# KiCad board TESTMOUNT.kicad_pcb (continued)
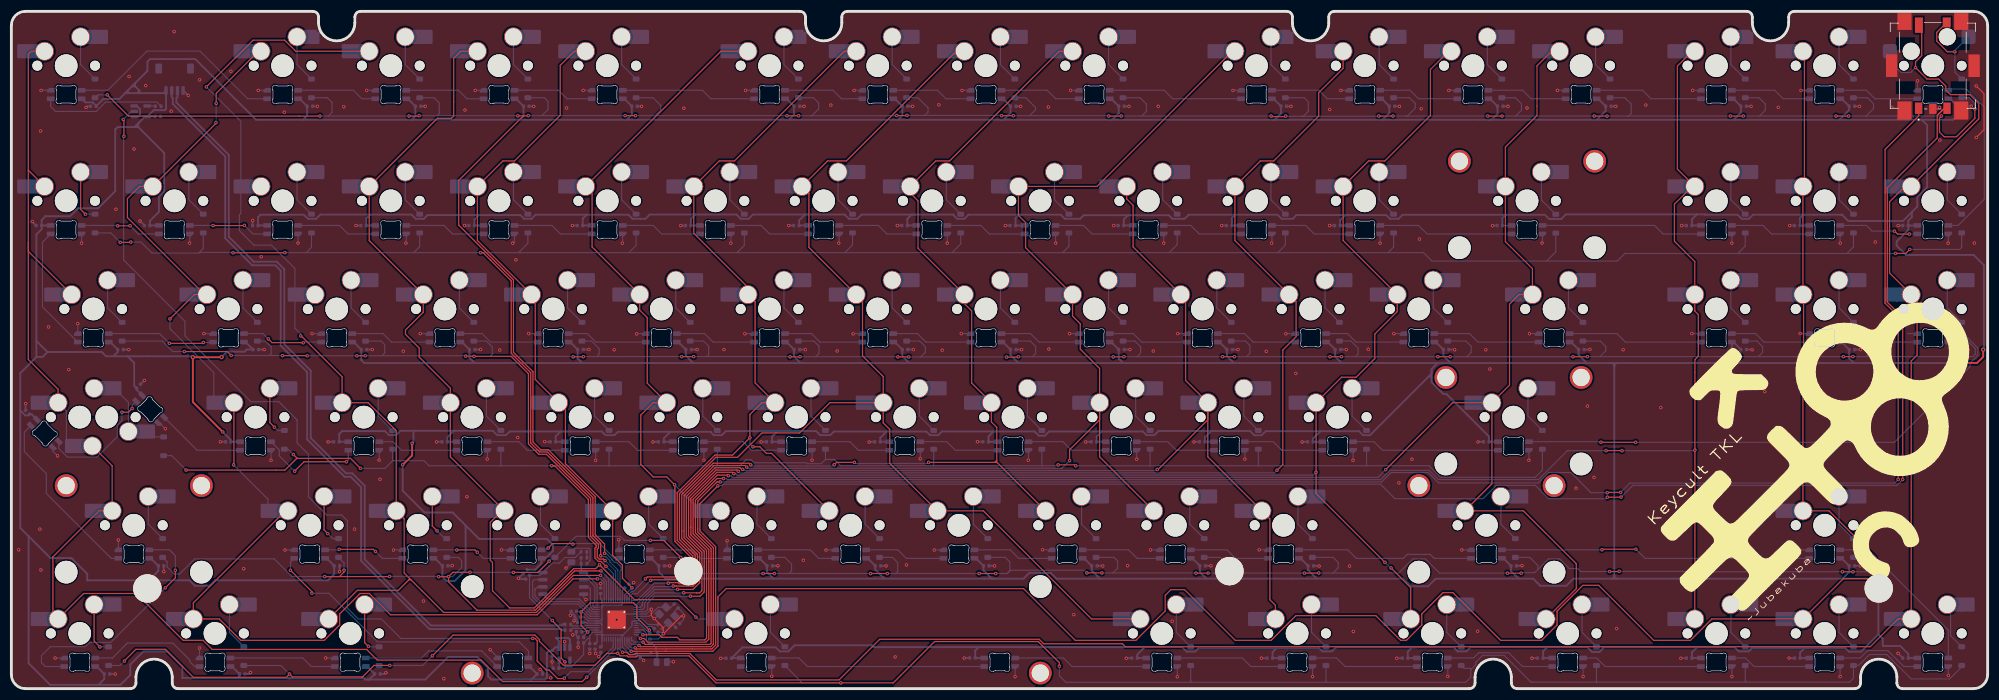
[diagram p0: board, top side]
## Routing (per net, layer and track width the routed paths; a pad name or vN(x,y) marks a point on that pad's centre or on a via; arc(x,y) is an arc through that point) (continued)
GP6: length 468.9
  Top w0.2: 84.28,75.58 87.99,71.86 87.99,59.09 91.43,55.65 91.43,43.28 93.01,41.69 94.35,41.69 102.38,33.66 102.38,26.96 103.74,25.6 v1(103.74,23.42) ; 84.41,75.45 83.04,76.81 v1(82.59,76.81) ; v1(48.16,76.81) 48.14,76.79 v1(39.02,76.79) ; v1(334.2,77.37) 333.5,76.67 v1(331.68,76.67) ; v1(19.16,78.62) 20.98,78.62 v1(21.03,78.67)
  Bottom w0.2: 108.71,76.81 127.74,76.81 ; 108.71,76.81 109.98,78.08 D22.1 ; 108.71,76.81 89.28,76.81 ; 127.74,76.81 127.76,76.81 127.9,76.95 ; 127.74,76.81 127.9,76.81 ; 203.82,76.81 223,76.81 ; 203.82,76.81 185.07,76.81 ; 203.82,76.81 205.23,78.22 D27.1 ; 223,76.81 242.38,76.81 ; 223,76.81 223,76.87 224.28,78.15 D28.1 ; D24.1 148.08,78.16 146.86,76.94 146.86,76.81 ; 323.12,76.65 324.29,77.82 D33.1 ; 323.12,76.65 303.93,76.65 ; 323.12,76.65 331.66,76.65 v1(331.68,76.67) ; 33.06,76.84 32.97,76.75 32.97,76.73 24.76,76.73 22.84,78.65 21.05,78.65 v1(21.03,78.67) ; 33.06,76.84 33.78,77.56 D18.1 ; 33.06,76.84 38.97,76.84 v1(39.02,76.79) ; 242.38,76.81 248.6,76.81 250.08,75.33 270.27,75.33 ; 242.38,76.81 242.38,76.84 243.33,77.79 D29.1 ; 270.27,75.33 282.71,75.33 284.03,76.65 303.93,76.65 ; 270.27,75.33 271.88,76.95 D31.1 ; D20.1 71.88,77.86 70.83,76.81 ; v1(19.16,78.62) 17.5,80.28 D17.1 ; D34.1 343.34,77.75 342.96,77.37 v1(334.2,77.37) ; 303.93,76.65 303.93,76.66 305.24,77.97 D32.1 ; 165.59,76.81 185.07,76.81 ; 165.59,76.81 146.86,76.81 ; 165.59,76.81 167.13,78.35 D25.1 ; 185.07,76.81 185.07,76.82 186.18,77.93 D26.1 ; 89.28,76.81 90.93,78.46 D21.1 ; 89.28,76.81 v1(82.59,76.81) 70.83,76.81 ; U3.8 106.76,20.93 105.34,22.35 105.34,22.58 104.69,23.24 103.93,23.24 v1(103.74,23.42) ; 51.92,76.81 70.83,76.81 ; 51.92,76.81 v1(48.16,76.81) ; 51.92,76.81 52.83,77.72 D19.1 ; 146.86,76.81 127.9,76.81 ; D23.1 129.03,78.08 127.9,76.95 ; 127.9,76.81 127.9,76.95
GP7: length 540.8
  Top w0.2: v1(278.65,100.87) v1(280.91,100.87) ; v1(157.67,100.98) 157.65,100.96 v1(155.87,100.96) ; v1(240.73,100.87) v1(243.24,100.87) ; v1(321.22,100.87) v1(323.42,100.87) ; v1(339.78,100.87) 339.44,100.53 339.44,98.05 340.26,97.22 342.42,97.22 345.66,100.46 v1(345.66,102.12) ; v1(54.32,100.87) 20.61,100.87 v1(16.87,104.61) ; v1(108.05,100.94) 109.84,100.94 v1(109.84,100.94) ; v1(71.78,100.93) 71.72,100.87 v1(70.01,100.87) ; v1(259.9,100.87) v1(262.42,100.87) ; v1(136.54,100.92) v1(138.59,100.92) ; v1(193.18,100.87) v1(195.39,100.87) ; v1(302.64,100.87) v1(304.91,100.87) ; v1(174.32,100.93) v1(176.39,100.93) ; 90.14,100.91 78.75,89.52 78.75,81.67 88.39,72.03 88.39,59.26 91.83,55.82 91.83,43.44 93.18,42.09 94.52,42.09 102.78,33.83 102.78,27.13 104.43,25.48 v1(104.43,23.84) ; 90.14,100.91 90.97,100.91 v1(91,100.94) ; 90.14,100.91 v1(89.17,100.91) ; v1(224.34,100.87) 224.24,100.77 221.86,100.77 v1(221.76,100.87)
  Bottom w0.2: D6.1 141.21,104.09 142.13,103.17 142.13,102.14 140.91,100.92 140.78,100.92 ; 284.54,100.87 v1(302.64,100.87) ; 284.54,100.87 284.7,100.87 285.15,101.32 285.15,103 284.06,104.09 D13.1 ; 284.54,100.87 v1(280.91,100.87) ; v1(224.34,100.87) 224.37,100.84 227.1,100.84 ; 160.63,100.98 174.27,100.98 v1(174.32,100.93) ; 160.63,100.98 v1(157.67,100.98) ; 160.63,100.98 160.78,100.98 161.38,101.58 161.38,102.31 159.6,104.09 D7.1 ; D16.1 344.7,104.09 345.63,103.16 345.63,102.14 ; D8.1 178.58,104.09 180.3,102.37 180.3,101.97 179.26,100.93 ; v1(155.87,100.96) 155.83,100.92 140.78,100.92 ; 307.77,100.87 308.77,101.87 308.77,102.99 307.67,104.09 D14.1 ; 307.77,100.87 v1(321.22,100.87) ; 307.77,100.87 v1(304.91,100.87) ; D11.1 246.15,104.09 247.14,103.1 247.14,102.26 245.75,100.87 245.61,100.87 ; 93.39,100.94 108.05,100.94 v1(108.05,100.94) ; 93.39,100.94 94.47,102.02 94.47,103.46 93.84,104.09 D4.1 ; 93.39,100.94 v1(91,100.94) ; 199.01,100.87 v1(221.76,100.87) ; 199.01,100.87 199.8,101.66 199.8,102.99 198.7,104.09 D9.1 ; 199.01,100.87 v1(195.39,100.87) ; 140.78,100.92 v1(138.59,100.92) ; v1(89.17,100.91) 89.15,100.93 74.97,100.93 ; 179.26,100.93 v1(176.39,100.93) ; 179.26,100.93 193.12,100.93 v1(193.18,100.87) ; v1(136.54,100.92) 136.52,100.94 113.08,100.94 ; 113.08,100.94 109.85,100.94 v1(109.84,100.94) ; 113.08,100.94 113.34,100.94 114.31,101.91 114.31,102.76 112.98,104.09 D5.1 ; 227.1,100.84 227.46,100.84 228.32,101.7 228.32,103.38 227.61,104.09 D10.1 ; 227.1,100.84 240.7,100.84 v1(240.73,100.87) ; 245.61,100.87 v1(259.9,100.87) ; 245.61,100.87 v1(243.24,100.87) ; 326.5,100.87 327.82,102.19 327.82,103.03 326.76,104.09 D15.1 ; 326.5,100.87 v1(323.42,100.87) ; 326.5,100.87 v1(339.78,100.87) ; 74.97,100.93 v1(71.78,100.93) ; 74.97,100.93 75.33,101.29 75.33,103.17 74.41,104.09 D3.1 ; 55.8,100.87 56.44,101.51 56.44,103.28 55.63,104.09 D2.1 ; 55.8,100.87 v1(54.32,100.87) ; 55.8,100.87 v1(70.01,100.87) ; D1.1 15.25,104.61 v1(16.87,104.61) ; D12.1 264.77,104.09 265.85,103.01 265.85,101.91 264.81,100.87 ; 264.81,100.87 v1(262.42,100.87) ; 264.81,100.87 v1(278.65,100.87) ; U3.9 107.16,20.71 107.36,20.91 107.36,21.41 106.53,22.24 106.18,22.24 105.74,22.68 105.74,22.8 104.71,23.84 v1(104.43,23.84)
GP8: length 118.8
  Top w0.2: MX5.1 99.1,112.28 96.62,109.8 96.62,101.01 88.57,92.96 86.53,92.96 MX21.1 82.04,78.94 MX39.1 92.23,68.76 92.23,54.47 MX57.1 97.54,49.16 97.54,39.63 MX70.1 105.85,23.49 107.57,21.77 107.57,19.46 v1(109.26,17.77)
  Bottom w0.2: v1(109.26,17.77) 107.96,16.47 U3.11
GP9: length 141.8
  Top w0.2: MX6.1 124.9,112.28 MX22.1 102.23,87.33 102.23,77.81 MX40.1 110.62,66.67 111.94,65.35 111.94,53.81 MX58.1 112.97,50.37 110.81,48.21 110.81,39.49 113.01,37.29 115.39,37.29 v1(116.76,35.92) 116.81,35.87 116.81,25.94 119.57,23.19 119.57,19.47 119.39,19.28 117.88,19.28 117.49,19.67 111.96,19.67 v1(111.62,19.33)
  Bottom w0.2: MX71.1 121.35,31.33 v1(116.76,35.92) ; v1(111.62,19.33) 111.62,19.28 109.51,17.17 109.23,17.17 108.36,16.3 U3.12
GP10: length 158.2
  Top w0.2: v1(112.54,19.07) 112.65,19.18 117.42,19.18 117.72,18.88 119.56,18.88 119.97,19.3 119.97,23.35 117.21,26.11 117.21,34.52 123.85,41.15 126.96,41.15 v1(130.01,44.2) 130.01,48.29 132.09,50.37 MX59.1 130.94,53.86 130.94,68.15 MX41.1 129.67,70.69 120.14,80.22 MX23.1 124.63,92.96 127.3,92.96 146.62,112.28 MX7.1 ; MX72.1 133.83,41.44 132.92,41.44 131.75,42.61 v1(130.56,42.61)
  Bottom w0.2: U3.13 108.76,16.11 108.81,16.16 108.81,16.17 109.38,16.74 110.21,16.74 v1(112.54,19.07) ; v1(130.56,42.61) 130.01,43.16 v1(130.01,44.2)
GP11: length 220.8
  Top w0.2: v1(115.64,18.58) 115.74,18.68 117.35,18.68 117.55,18.48 119.72,18.48 120.37,19.13 120.37,23.52 117.62,26.28 117.62,34.35 124.01,40.75 127.84,40.75 132.13,45.04 138.76,45.04 144.09,50.37 MX60.1 ; MX60.1 153.48,54.98 149.84,58.62 149.84,68.3 MX42.1 140.41,77.73 140.41,87.25 MX24.1 143.68,92.96 146.99,92.96 166.31,112.28 MX8.1 ; MX60.1 153.48,46.82 154.63,45.67 154.63,39.69 MX73.1 171.12,31.32 190.17,12.27 MX83.1
  Bottom w0.2: U3.14 110.23,15.58 110.39,15.74 110.39,15.76 113.21,18.58 v1(115.64,18.58)
GP12: length 193.5
  Top w0.2: 173.47,39.9 173.43,39.86 173.02,39.86 ; 173.47,39.9 173.47,40.22 ; 173.47,39.9 MX74.1 ; 173.47,40.22 173.47,46.04 172.53,46.98 MX61.1 169.06,53.84 169.06,66.54 167.77,67.83 MX43.1 159.61,77.58 159.61,85.93 158.24,87.3 MX25.1 162.73,92.96 165.16,92.96 184.48,112.28 MX9.1 ; 173.47,40.22 173.11,39.86 173.02,39.86 ; v1(148.42,39.86) 145.27,39.86 v1(144.86,39.45) ; v1(116.53,18.08) 117.03,18.08 117.03,18.08 120.03,18.08 120.77,18.82 120.77,23.69 118.02,26.44 118.02,34.19 123.54,39.71 129.88,39.71 v1(130.16,39.42) ; 173.02,39.86 v1(161.46,39.86)
  Bottom w0.2: 112.9,17.68 112.9,17.69 113.19,17.98 116.43,17.98 v1(116.53,18.08) ; 112.9,17.68 110,14.78 U3.15 ; 112.9,17.68 112.9,17.7 ; v1(161.46,39.86) 161.26,39.66 148.62,39.66 v1(148.42,39.86) ; v1(144.86,39.45) 144.63,39.22 130.36,39.22 v1(130.16,39.42)
GP13: length 228.1
  Top w0.2: v1(117.28,17.48) 120,17.48 121.17,18.66 121.17,23.85 118.42,26.61 118.42,34.02 123.71,39.31 129.17,39.31 v1(129.46,39.02) ; MX62.1 191.58,40.84 MX75.1 ; MX62.1 191.58,56.4 188.18,59.8 188.18,64.27 186.82,65.63 MX44.1 178.55,77.69 178.55,82.11 177.29,83.37 MX26.1 191.11,88.47 214.93,112.28 MX10.1 ; MX62.1 191.58,47.37 186.29,42.08 v1(186.29,40.16)
  Bottom w0.2: U3.16 110.79,14.34 111.06,14.61 111.06,15.27 113.27,17.48 v1(117.28,17.48) ; v1(186.29,40.16) 184.97,38.84 184.97,38.82 129.66,38.82 v1(129.46,39.02)
GP14: length 219.2
  Top w0.2: MX63.1 210.63,40.84 MX76.1 221.55,29.92 221.55,15.66 222.53,14.68 MX84.1 ; MX63.1 210.63,47.37 201.88,38.62 v1(201.73,38.62) ; MX63.1 206.72,54.28 206.72,68.57 MX45.1 197.47,77.82 197.47,85.15 196.34,86.28 MX27.1 ; v1(128.74,38.62) 128.74,38.51 128.72,38.49 128.3,38.91 123.87,38.91 118.82,33.85 118.82,26.77 121.58,24.02 121.58,17.27 121.18,16.87 120.63,16.87 120.62,16.88 v1(118.35,16.88)
  Bottom w0.2: v1(128.74,38.62) 128.92,38.62 129.12,38.42 201.53,38.42 v1(201.73,38.62) ; U3.17 111.14,13.94 111.46,14.26 111.46,15.11 113.23,16.88 v1(118.35,16.88)
GP15: length 226.8
  Top w0.2: 222.81,38.47 223.83,39.49 223.83,59.65 226.17,61.99 226.17,68.17 MX46.1 215.39,78.94 MX28.1 219.88,92.96 222.24,92.96 230.15,100.87 230.15,104.99 234.44,109.28 MX11.1 ; v1(127.97,38.27) 127.74,38.51 124.04,38.51 119.22,33.69 119.22,26.94 121.98,24.18 121.98,21.44 121.98,21.44 121.98,17.04 121.22,16.28 v1(119.56,16.28)
  Bottom w0.2: v1(119.56,16.28) 113.2,16.28 112.04,15.12 112.04,13.94 111.64,13.54 U3.18 ; 222.81,38.47 v1(222.8,38.48) 222.35,38.02 128.23,38.02 v1(127.97,38.27)
GP16: length 279.4
  Top w0.2: v1(127.2,37.87) 126.96,38.11 124.2,38.11 119.62,33.52 119.62,27.11 122.38,24.35 122.38,22.14 122.38,22.14 122.38,8.88 122.1,8.59 117.7,8.59 117.24,9.05 114.53,9.05 114.09,9.49 v1(111.18,9.49) ; MX12.1 253.03,112.28 249.82,109.08 249.82,100.98 241.8,92.96 238.93,92.96 MX29.1 234.44,78.94 MX47.1 243.97,66.42 240.03,62.48 240.03,58.16 236.73,54.86 234.17,54.86 MX64.1 v1(229.68,38.13) 229.68,34.38 v1(241.81,22.25) ; MX85.1 246.35,17.8 v1(242.89,21.26)
  Bottom w0.2: v1(229.68,38.13) 229.17,37.62 127.78,37.62 127.53,37.87 v1(127.2,37.87) ; v1(242.89,21.26) 242.8,21.26 v1(241.81,22.25) ; v1(111.18,9.49) 110.73,9.94 U3.27
GP17: length 316.8
  Top w0.2: v1(241.94,38.58) 253.73,50.37 MX65.1 ; MX65.1 260.63,36.08 MX77.1 266.18,31.32 275.52,21.98 275.5,21.95 275.5,17.61 MX86.1 ; MX65.1 263.74,53.48 263.74,67.73 265.43,69.42 MX48.1 267.78,73.98 263.02,78.74 MX31.1 263.02,95.41 268.58,100.97 268.58,109.71 271.15,112.28 MX13.1 ; v1(110.73,8.84) 111.43,8.84 112.07,8.19 122.27,8.19 122.78,8.71 122.78,22.39 122.78,22.39 122.78,24.52 120.02,27.27 120.02,33.36 124.28,37.62 126.1,37.62 v1(126.22,37.51)
  Bottom w0.2: v1(110.73,8.84) 110.02,9.54 U3.28 ; v1(241.94,38.58) 240.58,37.22 127,37.22 126.71,37.51 v1(126.22,37.51)
GP18: length 328.6
  Top w0.2: MX14.1 295.89,112.28 293.29,109.68 293.29,91.53 MX32.1 295.89,88.47 292.77,85.35 292.77,78.82 296.35,75.24 MX49.1 296.35,66.53 296.98,65.9 296.98,58.57 296.38,57.97 v1(296.38,42.02) 296.38,21.69 296.35,21.66 296.35,20.04 296.35,20.03 MX87.1 ; v1(111.21,8.2) 111.62,7.79 122.97,7.79 123.18,8 123.18,22.93 123.18,22.93 123.18,24.68 120.42,27.44 120.42,33.19 124.25,37.02 v1(125.37,37.02) ; v1(283.54,41.92) 283.52,41.94 v1(280.73,41.94)
  Bottom w0.2: U3.29 109.65,8.22 111.19,8.22 v1(111.21,8.2) ; v1(125.37,37.02) 125.87,37.02 126.07,36.82 241.06,36.82 242.71,38.47 249.6,38.47 251.24,36.83 268.83,36.83 273.92,41.92 280.71,41.92 v1(280.73,41.94) ; v1(296.38,42.02) 296.28,41.92 v1(283.54,41.92)
GP19: length 328.4
  Top w0.2: S1.A 335.79,102.22 335.79,100.92 329.85,94.98 329.85,67.92 332.16,65.6 v1(332.16,36.85) ; v1(110.5,7.62) 110.72,7.39 123.14,7.39 123.59,7.84 123.59,24.84 120.82,27.6 120.82,33.02 124.22,36.42 v1(124.79,36.42) ; v1(280.93,34.52) 280.99,34.58 v1(283.3,34.58)
  Bottom w0.2: U3.30 108.76,8.14 109.09,7.81 110.3,7.81 v1(110.5,7.62) ; v1(280.93,34.52) 278.09,34.52 274.54,38.07 270.63,38.07 268.81,36.24 251.24,36.24 249.41,38.07 242.88,38.07 241.22,36.41 241.21,36.42 v1(124.79,36.42) ; v1(283.3,34.58) 284.93,36.21 331.52,36.21 v1(332.16,36.85)
GP20: length 333.1
  Top w0.2: v1(109.82,7.19) 110.02,6.99 123.31,6.99 123.99,7.67 123.99,25.01 121.22,27.77 121.22,32.58 v1(124.38,35.73) ; v1(283.38,33.75) 283.35,33.72 v1(280.96,33.72) ; 340.08,102.03 339.21,101.17 339.21,101.12 339.04,100.94 339.04,97.02 330.25,88.23 330.25,68.08 332.96,65.37 v1(332.96,36.84) ; 340.08,102.03 340.29,102.24 S1.B ; 340.08,102.03 339.85,101.8 339.85,101.79 339.21,101.15
  Bottom w0.2: U3.31 108.36,7.97 109.14,7.19 v1(109.82,7.19) ; v1(280.96,33.72) 280.69,33.45 270.65,33.45 268.29,35.81 261.41,35.81 259.07,33.46 243.58,33.46 241.02,36.02 125.35,36.02 125.14,35.81 124.46,35.81 v1(124.38,35.73) ; v1(283.38,33.75) 285.44,35.81 331.97,35.81 332.96,36.8 v1(332.96,36.84)
GP21: length 370.9
  Top w0.2: v1(109.11,6.59) 115.32,6.59 ; 115.06,6.59 123.47,6.59 124.39,7.5 124.39,16.18 125.83,17.62 178.18,17.62 187.3,8.5 197.96,8.5 203.12,13.67 203.12,16.43 204.13,17.45 206.52,17.45 215.47,8.5 221.77,8.5 226.13,12.86 240.21,12.86 244.57,8.5 245.58,8.5 248.3,11.22 248.3,13.17 252.04,16.91 253.77,16.91 262.18,8.5 269.4,8.5 272.11,11.22 272.11,13.65 276.66,18.2 279.44,18.2 289.14,8.5 295.59,8.5 299.36,12.27 MX88.1 322.52,19.39 327.66,19.39 328.22,19.95 328.22,23.09 319.99,31.32 MX78.1 315.4,58.2 315.51,58.31 315.51,69.31 MX50.1 MX33.1 315.66,88.73 315.66,112.03 MX15.1
  Bottom w0.2: 109.11,6.61 108.71,7.01 108.71,7.01 107.96,7.76 U3.32
GP22: length 367.2
  Top w0.2: S1.D 336.3,116.4 336.3,111.52 335.22,110.43 v1(335.22,109.4) 337.23,107.39 339.29,107.39 340.55,106.13 340.55,105.46 341.37,104.64 344.8,104.64 346.35,103.1 346.35,100.37 MX34.1 333.35,88.47 330.65,85.77 330.65,73.22 MX51.1 335.49,68.38 335.49,58.75 334.45,57.71 MX89.1 332.12,12.27 327.23,7.39 196.1,7.39 195.58,7.91 181.73,7.91 180.94,8.69 152.86,8.69 145.71,1.54 124.11,1.54 119.46,6.19 109.86,6.19 109.66,5.99 108.76,5.99 108.34,6.41 v1(107.59,6.41)
  Bottom w0.2: v1(335.22,109.4) 334.36,108.54 332.69,108.54 330.7,110.53 MX16.1 ; U3.34 107.16,6.84 v1(107.59,6.41)
GP23: length 395.2
  Top w0.2: v1(74.11,5.78) 77.77,9.44 92.16,9.44 92.97,8.63 92.97,8.35 97.2,4.12 102.74,4.12 104.85,6.23 v1(106.75,6.23) 107.2,5.78 108.4,5.78 108.6,5.59 110,5.59 110.2,5.79 119.29,5.79 124.06,1.02 v1(146.02,1.02) 155.25,1.02 162.52,8.29 180.78,8.29 184.5,4.57 v1(184.5,3.96) ; v1(19.9,4.85) 19.9,4.91 21.92,6.93 27.09,6.93 32.02,2 48.4,2 v1(48.97,2.57) 49.47,2.06 61.81,2.06 63.84,4.09 v1(66.62,4.09)
  Bottom w0.2: 256.93,3.39 256.73,3.59 255.73,3.59 D85.1 ; 256.93,3.39 256.93,2.03 256.02,1.12 231.5,1.12 ; 256.93,3.39 256.98,3.39 257.81,4.23 257.81,4.68 259.01,5.88 262.79,5.88 267.53,1.14 279.07,1.14 ; D86.1 279.05,1.16 279.07,1.14 ; 207.73,1.12 207.61,1.24 D83.1 ; 207.73,1.12 185.64,1.12 184.5,2.26 v1(184.5,3.96) ; 207.73,1.12 231.5,1.12 ; 305.34,1.14 305.24,1.24 D87.1 ; 305.34,1.14 279.07,1.14 ; 305.34,1.14 323.55,1.14 323.58,1.11 324.29,1.82 D88.1 325.18,4.08 327.11,6.01 330.15,6.01 334.44,1.72 341.23,1.72 343.34,3.83 D89.1 ; v1(146.02,1.02) 139.23,1.02 D82.1 ; D84.1 231.42,1.19 231.5,1.12 ; D81.1 66.61,4.08 v1(66.62,4.09) 72.42,4.09 v1(74.11,5.78) ; v1(106.75,6.23) 106.76,6.24 106.76,7.06 106.76,7.06 U3.35 ; v1(48.97,2.57) 47.46,4.08 D80.1 ; D79.1 19.13,4.08 v1(19.9,4.85)
GP24: length 240.1
  Top w0.2: 2.98,91.33 2.98,78.62 ; 2.98,91.33 MX17.1 ; 2.98,91.33 2.98,111.76 3.51,112.28 MX1.1 ; 2.98,78.62 2.98,57.99 8.22,52.75 MX53.1 ; 2.98,78.62 2.98,77.04 MX35.1 ; MX52.2 17.75,39.26 MX66.1 15.41,31.32 7.31,23.21 7.31,13.19 MX79.1 12.71,16.76 22,16.76 30.26,8.5 33.75,8.5 35.34,6.91 62.55,6.91 64.42,5.04 82.68,5.04 86.47,1.25 100.51,1.25 v1(101.29,2.03)
  Bottom w0.2: U3.36 106.36,7.1 v1(101.29,2.03) ; MX53.1 9.69,48.9 9.69,43.77 MX52.2
GP25: length 167.2
  Top w0.2: v1(97.35,1.85) 97.28,1.78 96.16,1.78 94.64,3.3 94.14,3.3 92.57,4.87 92.57,8.46 92.19,8.84 v1(91.79,8.84) ; v1(19.81,97.29) 19.81,100.14 v1(19.69,100.26)
  Bottom w0.2: v1(91.79,8.84) 68.57,8.84 65.13,12.28 61.03,12.28 59.16,14.16 59.16,29.58 58.16,30.58 55.51,30.58 52.31,33.78 52.31,41.28 50.31,43.28 50.31,47.32 47.08,50.56 42.16,50.56 30.56,62.16 30.56,64.71 19.76,75.51 19.76,97.25 v1(19.81,97.29) ; U1.2 21.13,101.7 v1(19.69,100.26) ; v1(97.35,1.85) 98.49,2.99 101.61,2.99 105.96,7.34 U3.37
Net-(C19-Pad2): length 3.1
  Bottom w0.2: C19.2 116.17,11.58 Y1.1 114.62,10.58 R8.1
Net-(D1-A): length 8.5
  Bottom w0.2: D1.2 12.19,109.93 MX1.2
Net-(D2-A): length 8.5
  Bottom w0.2: MX2.2 50.29,109.93 D2.2
Net-(D3-A): length 8.5
  Bottom w0.2: D3.2 69.34,109.93 MX3.2
Net-(D4-A): length 8.5
  Bottom w0.2: MX4.2 88.39,109.93 D4.2
Net-(D5-A): length 8.5
  Bottom w0.2: D5.2 107.44,109.93 MX5.2
Net-(D6-A): length 8.5
  Bottom w0.2: D6.2 136.02,109.93 MX6.2
Net-(D7-A): length 8.5
  Bottom w0.2: MX7.2 155.07,109.93 D7.2
Net-(D8-A): length 8.5
  Bottom w0.2: MX8.2 174.12,109.93 D8.2
Net-(D9-A): length 8.5
  Bottom w0.2: MX9.2 193.17,109.93 D9.2
Net-(D10-A): length 8.5
  Bottom w0.2: MX10.2 221.74,109.93 D10.2
Net-(D11-A): length 8.5
  Bottom w0.2: D11.2 240.79,109.93 MX11.2
Net-(D12-A): length 8.5
  Bottom w0.2: D12.2 259.84,109.93 MX12.2
Net-(D13-A): length 8.5
  Bottom w0.2: D13.2 278.89,109.93 MX13.2
Net-(D14-A): length 8.5
  Bottom w0.2: MX14.2 302.7,109.93 D14.2
Net-(D15-A): length 8.5
  Bottom w0.2: D15.2 321.75,109.93 MX15.2
Net-(D17-A): length 9.5
  Top w0.2: v1(13.03,83.58) 12.19,84.42 MX17.2
  Bottom w0.2: D17.2 v1(13.03,83.58)
Net-(D18-A): length 8.5
  Bottom w0.2: MX18.2 31.24,86.12 D18.2
Net-(D19-A): length 8.5
  Bottom w0.2: MX19.2 50.29,86.12 D19.2
Net-(D20-A): length 8.5
  Bottom w0.2: MX20.2 69.34,86.12 D20.2
Net-(D21-A): length 8.5
  Bottom w0.2: MX21.2 88.39,86.12 D21.2
Net-(D22-A): length 8.5
  Bottom w0.2: D22.2 107.44,86.12 MX22.2
Net-(D23-A): length 8.5
  Bottom w0.2: MX23.2 126.49,86.12 D23.2
Net-(D24-A): length 8.5
  Bottom w0.2: D24.2 145.54,86.12 MX24.2
Net-(D25-A): length 8.5
  Bottom w0.2: MX25.2 164.59,86.12 D25.2
Net-(D26-A): length 8.5
  Bottom w0.2: MX26.2 183.64,86.12 D26.2
Net-(D27-A): length 8.5
  Bottom w0.2: MX27.2 202.69,86.12 D27.2
Net-(D28-A): length 8.5
  Bottom w0.2: D28.2 221.74,86.12 MX28.2
Net-(D29-A): length 8.5
  Bottom w0.2: MX29.2 240.79,86.12 D29.2
Net-(D31-A): length 8.5
  Bottom w0.2: MX31.2 269.37,86.07 D31.2
Net-(D32-A): length 8.5
  Bottom w0.2: MX32.2 302.7,86.12 D32.2
Net-(D33-A): length 8.5
  Bottom w0.2: D33.2 321.75,86.12 MX33.2
Net-(D34-A): length 8.5
  Bottom w0.2: D34.2 340.8,86.12 MX34.2
Net-(D35-A): length 8.5
  Bottom w0.2: D35.2 16.95,67.07 16.95,71.96
Net-(D36-A): length 8.5
  Bottom w0.2: D36.2 40.77,67.07 MX36.2
Net-(D37-A): length 8.5
  Bottom w0.2: D37.2 59.82,67.07 MX37.2
Net-(D38-A): length 8.5
  Bottom w0.2: MX38.2 78.87,67.07 D38.2
Net-(D39-A): length 8.5
  Bottom w0.2: D39.2 97.92,67.07 MX39.2
Net-(D40-A): length 8.5
  Bottom w0.2: D40.2 116.97,67.07 MX40.2
Net-(D41-A): length 8.5
  Bottom w0.2: MX41.2 136.02,67.07 D41.2
Net-(D42-A): length 8.5
  Bottom w0.2: D42.2 155.07,67.07 MX42.2
Net-(D43-A): length 8.5
  Bottom w0.2: D43.2 174.12,67.07 MX43.2
Net-(D44-A): length 8.5
  Bottom w0.2: MX44.2 193.17,67.07 D44.2
Net-(D45-A): length 8.5
  Bottom w0.2: MX45.2 212.22,67.07 D45.2
Net-(D46-A): length 8.5
  Bottom w0.2: D46.2 231.27,67.07 MX46.2
Net-(D47-A): length 8.5
  Bottom w0.2: MX47.2 250.32,67.07 D47.2
Net-(D48-A): length 8.5
  Bottom w0.2: MX48.2 274.13,67.07 D48.2
Net-(D49-A): length 8.5
  Bottom w0.2: MX49.2 302.7,67.07 D49.2
Net-(D50-A): length 8.5
  Bottom w0.2: D50.2 321.75,67.07 MX50.2
Net-(D51-A): length 8.5
  Bottom w0.2: MX51.2 340.8,67.07 D51.2
Net-(D53-A): length 11.7
  Bottom w0.2: 24.15,45.29 25.1,44.34 D53.2 ; MX53.2 20.6,50.43 MX52.1
Net-(D54-A): length 9.2
  Top w0.2: v1(46.32,46.06) 45.53,46.85 MX54.2
  Bottom w0.2: D54.2 46.9,45.48 v1(46.32,46.06)
Net-(D55-A): length 8.5
  Bottom w0.2: D55.2 64.58,48.02 MX55.2
Net-(D56-A): length 8.5
  Bottom w0.2: D56.2 83.63,48.02 MX56.2
Net-(D57-A): length 8.5
  Bottom w0.2: MX57.2 102.68,48.02 D57.2
Net-(D58-A): length 8.5
  Bottom w0.2: D58.2 121.73,48.02 MX58.2
Net-(D59-A): length 8.5
  Bottom w0.2: MX59.2 140.78,48.02 D59.2
Net-(D60-A): length 8.5
  Bottom w0.2: D60.2 159.83,48.02 MX60.2
Net-(D61-A): length 8.5
  Bottom w0.2: D61.2 178.88,48.02 MX61.2
Net-(D62-A): length 8.5
  Bottom w0.2: MX62.2 197.93,48.02 D62.2
Net-(D63-A): length 8.5
  Bottom w0.2: MX63.2 216.98,48.02 D63.2
Net-(D64-A): length 8.5
  Bottom w0.2: D64.2 236.03,48.02 MX64.2
Net-(D65-A): length 8.5
  Bottom w0.2: D65.2 266.98,48.02 MX65.2
Net-(D66-A): length 8.5
  Bottom w0.2: MX66.2 24.1,28.97 D66.2
Net-(D67-A): length 9.1
  Top w0.2: MX67.2 55.05,27.96 v1(55.69,27.32)
  Bottom w0.2: v1(55.69,27.32) 56.58,26.43 D67.2
Net-(D68-A): length 8.7
  Top w0.2: MX68.2 74.1,28.65 v1(74.95,27.8)
  Bottom w0.2: D68.2 76.32,26.43 v1(74.95,27.8)
Net-(D69-A): length 8.5
  Bottom w0.2: D69.2 93.15,28.97 MX69.2
Net-(D70-A): length 8.5
  Bottom w0.2: 112.2,33.86 112.2,28.97 D70.2
Net-(D71-A): length 8.5
  Bottom w0.2: MX71.2 131.25,28.97 D71.2
Net-(D72-A): length 8.5
  Bottom w0.2: 150.3,33.86 150.3,28.97 D72.2
Net-(D73-A): length 8.5
  Bottom w0.2: D73.2 169.35,28.97 MX73.2
Net-(D74-A): length 8.5
  Bottom w0.2: MX74.2 188.4,28.97 D74.2
Net-(D75-A): length 8.5
  Bottom w0.2: 207.45,33.86 207.45,28.97 D75.2
Net-(D76-A): length 8.5
  Bottom w0.2: MX76.2 226.5,28.97 D76.2
Net-(D77-A): length 8.5
  Bottom w0.2: MX77.2 262.22,28.97 D77.2
Net-(D78-A): length 8.5
  Bottom w0.2: MX78.2 321.75,28.97 D78.2
Net-(D79-A): length 9.4
  Top w0.2: MX79.2 14.57,8.38 v1(15.6,7.35)
  Bottom w0.2: D79.2 15.63,7.38 v1(15.6,7.35)
Net-(D80-A): length 8.5
  Bottom w0.2: D80.2 38.38,9.92 MX80.2
Net-(D81-A): length 9.5
  Top w0.2: v1(62.86,7.45) 62.2,8.11 MX81.2
  Bottom w0.2: D81.2 62.93,7.38 v1(62.86,7.45)
Net-(D82-A): length 8.5
  Bottom w0.2: MX82.2 133.63,9.92 D82.2
Net-(D83-A): length 8.5
  Bottom w0.2: D83.2 205.07,9.92 MX83.2
Net-(D84-A): length 8.5
  Bottom w0.2: D84.2 228.88,9.92 MX84.2
Net-(D85-A): length 8.5
  Bottom w0.2: MX85.2 252.7,9.92 D85.2
Net-(D86-A): length 8.5
  Bottom w0.2: D86.2 276.51,9.92 MX86.2
Net-(D87-A): length 8.5
  Bottom w0.2: MX87.2 302.7,9.92 D87.2
Net-(D88-A): length 8.5
  Bottom w0.2: D88.2 321.75,9.92 MX88.2
Net-(D89-A): length 8.5
  Bottom w0.2: D89.2 341.39,9.33 341.39,14.22 MX89.2
Net-(LED1-DOUT): length 39
  Bottom w0.2: LED1.2 16.97,105.41 23.86,112.31 33.21,112.31 41.6,103.91 LED2.3
Net-(LED2-DOUT): length 14.2
  Bottom w0.2: LED3.3 61.7,103.91 60.2,105.41 LED2.2
Net-(LED3-DOUT): length 14.2
  Bottom w0.2: LED3.2 78.7,105.41 80.2,103.91 LED4.3
Net-(LED4-DOUT): length 14.2
  Bottom w0.2: LED5.3 97.83,103.91 96.33,105.41 LED4.2
Net-(LED5-DOUT): length 23.7
  Bottom w0.2: LED6.3 123.15,103.91 121.65,105.41 LED5.2
Net-(LED6-DOUT): length 14.2
  Bottom w0.2: LED7.3 146.17,103.91 146.16,103.91 144.65,105.41 LED6.2
Net-(LED7-DOUT): length 14.2
  Bottom w0.2: LED8.3 164.53,103.91 163.03,105.41 LED7.2
Net-(LED8-DOUT): length 14.2
  Bottom w0.2: LED8.2 182.35,105.41 183.85,103.91 LED9.3
Net-(LED10-DIN): length 23.7
  Bottom w0.2: LED10.3 204.45,103.91 202.95,105.41 LED9.2
Net-(LED10-DOUT): length 14.2
  Bottom w0.2: LED11.3 231.68,103.91 230.18,105.41 LED10.2
Net-(LED11-DOUT): length 14.2
  Bottom w0.2: LED12.3 247.73,103.91 246.23,105.41 LED11.2
Net-(LED12-DOUT): length 14.2
  Bottom w0.2: LED13.3 267.55,103.91 266.05,105.41 LED12.2
Net-(LED13-DOUT): length 19
  Bottom w0.2: LED14.3 288.65,103.91 287.15,105.41 LED13.2
Net-(LED14-DOUT): length 14.2
  Bottom w0.2: LED14.2 310.43,105.41 311.93,103.91 LED15.3
Net-(LED15-DOUT): length 14.2
  Bottom w0.2: LED15.2 326.55,105.41 328.05,103.91 LED16.3
Net-(LED16-DOUT): length 32.2
  Bottom w0.2: LED16.2 341.18,105.61 344.18,105.61 347.33,102.46 347.33,86.22 342.71,81.6 LED34.3
Net-(LED17-DIN): length 14.2
  Top w0.2: v1(18.71,81.53) 20.86,81.53 v1(20.88,81.56)
  Bottom w0.2: LED17.3 18.64,81.6 v1(18.71,81.53) ; v1(20.88,81.56) 22.34,80.1 LED18.2
Net-(LED17-DOUT): length 22.2
  Bottom w0.2: LED17.2 5.48,78.65 5.48,67.26 LED35.3
Net-(LED18-DIN): length 14.2
  Top w0.2: v1(41.03,81.61) 41.01,81.58 v1(35.51,81.58)
  Bottom w0.2: v1(41.03,81.61) 42.54,80.1 LED19.2 ; LED18.3 35.49,81.6 v1(35.51,81.58)
Net-(LED19-DIN): length 14.2
  Bottom w0.2: LED20.2 59.27,80.1 57.77,81.6 LED19.3
Net-(LED20-DIN): length 14.2
  Bottom w0.2: LED20.3 76.17,81.6 77.67,80.1 LED21.2
Net-(LED21-DIN): length 14.2
  Bottom w0.2: LED21.3 95.17,81.6 96.67,80.1 LED22.2
Net-(LED22-DIN): length 14.2
  Bottom w0.2: LED23.2 114.49,80.1 112.98,81.61 112.98,81.6 LED22.3
Net-(LED23-DIN): length 14.2
  Bottom w0.2: LED24.2 133.49,80.1 131.99,81.6 LED23.3
Net-(LED24-DIN): length 14.2
  Bottom w0.2: LED25.2 154.14,80.1 152.64,81.6 LED24.3
Net-(LED25-DIN): length 14.2
  Bottom w0.2: LED25.3 170.67,81.6 172.17,80.1 LED26.2
Net-(LED26-DIN): length 14.2
  Bottom w0.2: LED27.2 190.24,80.1 188.74,81.6 LED26.3
Net-(LED27-DIN): length 14.2
  Bottom w0.2: LED27.3 207.62,81.6 209.12,80.1 LED28.2
Net-(LED28-DIN): length 14.2
  Bottom w0.2: LED29.2 229.37,80.1 227.87,81.6 LED28.3
Net-(LED29-DIN): length 23.7
  Bottom w0.2: LED29.3 247.72,81.6 249.22,80.1 LED31.2
Net-(LED31-DIN): length 28.5
  Bottom w0.2: LED32.2 290.77,80.1 289.27,81.6 LED31.3
Net-(LED32-DIN): length 14.2
  Bottom w0.2: LED32.3 308.37,81.6 309.87,80.1 LED33.2
Net-(LED33-DIN): length 14.2
  Top w0.2: v1(331.51,80.61) 331.53,80.61 332.06,80.08 v1(334.13,80.08)
  Bottom w0.2: LED33.3 326.57,81.6 327.56,80.61 v1(331.51,80.61) ; v1(334.13,80.08) 334.15,80.1 LED34.2
Net-(LED35-DOUT): length 19.2
  Top w0.2: v1(33.81,60.98) 33.66,60.83 v1(27.81,60.83)
  Bottom w0.2: LED35.2 26.09,62.55 v1(27.81,60.83) ; LED36.3 35.43,60.98 v1(33.81,60.98)
Net-(LED36-DOUT): length 14.3
  Top w0.2: v1(51.38,60.93) 51.36,60.96 45.88,60.96 v1(45.23,61.61)
  Bottom w0.2: LED36.2 44.29,62.55 v1(45.23,61.61) ; v1(51.38,60.93) 51.5,61.05 LED37.3
Net-(LED37-DOUT): length 14.2
  Bottom w0.2: LED37.2 65.42,62.55 66.92,61.05 LED38.3
Net-(LED38-DOUT): length 14.2
  Bottom w0.2: LED39.3 84.37,61.05 82.87,62.55 LED38.2
Net-(LED39-DOUT): length 14.2
  Bottom w0.2: LED40.3 102.89,61.05 101.39,62.55 LED39.2
Net-(LED40-DOUT): length 14.2
  Bottom w0.2: LED40.2 122.02,62.55 123.52,61.05 LED41.3
Net-(LED41-DOUT): length 14.2
  Bottom w0.2: LED41.2 140.84,62.55 142.34,61.05 LED42.3
Net-(LED42-DOUT): length 14.2
  Bottom w0.2: LED43.3 160.99,61.05 159.49,62.55 LED42.2
